# Altium PCB Brake Module PCB.PcbDoc (part 2 of 2)
Units mil, origin at the board's own origin, x right, y up, seen from the top; angles counter-clockwise.
Board outline 3490.03 x 3910.03 mil, 4 copper layers (Top Layer, Int1 (GND), Int2 (PWR), Bottom Layer), stack 53.912 mil thick; 134 components, 95 nets, 478 pads, 228 vias.
Unrouted connection lines stored in the file: 3.
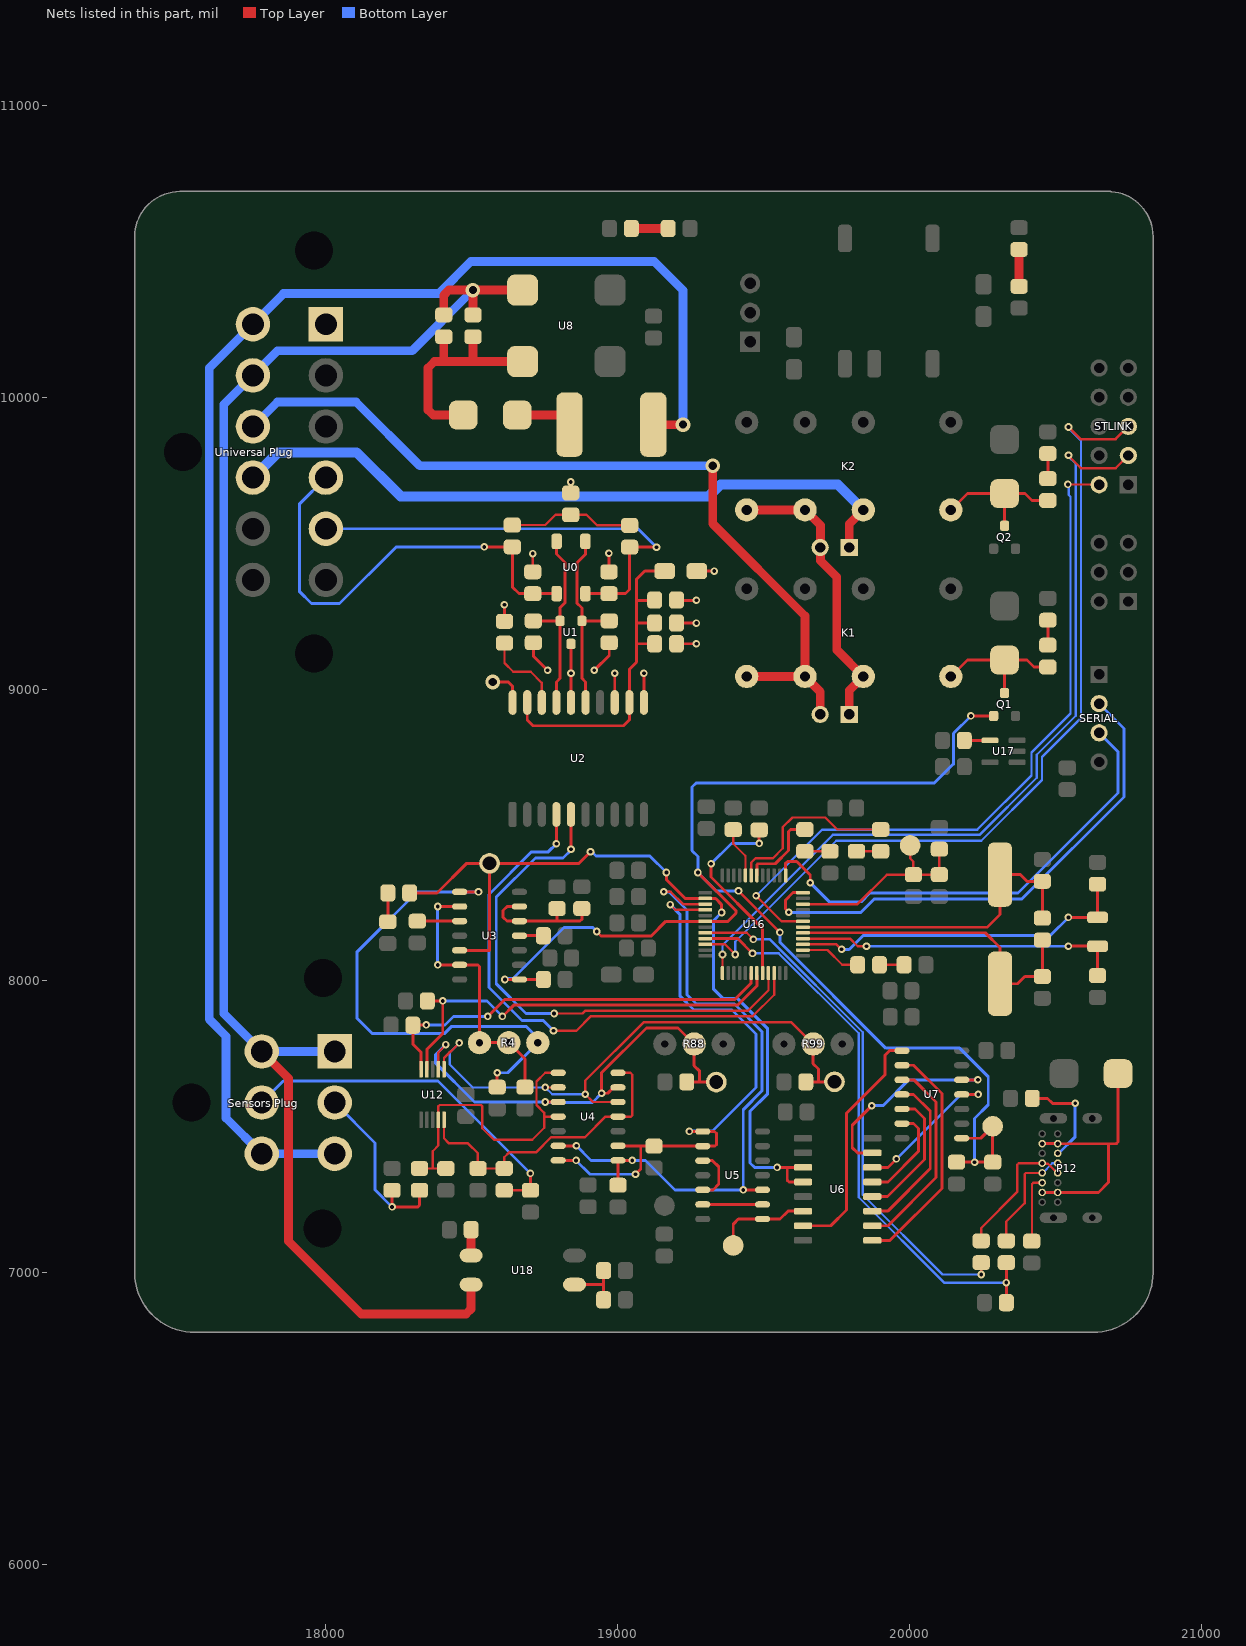
[diagram p4: the nets of this part, all layers, seen from the top]

## Via types
v1: diameter 26, hole 13, Top Layer to Bottom Layer, 216 vias
v2: diameter 50, hole 28, Top Layer to Bottom Layer, 7 vias
v3: diameter 216.54, hole 129.92, Top Layer to Bottom Layer, 4 vias
v4: diameter 26, hole 16, Top Layer to Bottom Layer, 1 vias

## Nets (pads, with @x,y where several pads share a name; then routed paths per layer and width w, separated by ;. In a path a pad name is that pad's centre, name@x,y a point inside that pad or via, vN(x,y) a via of type N, cw(c..) or ccw(c..) an arc to the next point about the centre after c; other vN are vias at no path point) (continued)
"BSPD OK": C21.2 P4.1 Q1.G R5.2 R29.2 U3.8 U7.8 U16.30 | length 4724.4
  Top Layer w10: v1@18609.46,8004.54 v1(18613.54,8004.54) U3.8@18663.28,8004.54 R5.2@18745.35,8004.54 ; v1(18928,8169) 18943,8154 19115.29,8154 19165,8203.71 U16.30@19300.11,8203.71 19377.71,8203.71 19405.66,8231.66 19405.66,8239.94 19275,8370.6 v1(19275,8371) ; v1(19414,8308) 19414,8307.92 v1(19555.96,8165.96) ; C21.2@20161.31,7378.46 v1(20223.29,7378.46) R29.2@20285.28,7378.46 P4.1@20285.28,7501.54 20244.28,7460.54 U7.8@20179,7460.54 ; v1(20210.63,8907.63) Q1.G@20288.6,8907.63
  Bottom Layer w10: v1(18613.54,8004.54) 18616.54,8007.54 18641.54,8007.54 18816.54,8182.54 18914.46,8182.54 v1(18928,8169) ; v1(19414,8308) 19337.6,8308 19275,8370.6 v1(19275,8371) 19275,8426 19255,8446 19255,8664 19269,8678 20085,8678 20149,8742 20151.14,8742 20151.14,8848.14 v1(20210.63,8907.63) ; v1(19555.96,8165.96) 19555.96,8132.04 19919,7769 20172,7769 20270,7671 20270,7575 20223.29,7528.29 v1(20223.29,7378.46)
"CAN RX INDC": "CAN RX.A" U16.19 | length 611.8
  Top Layer w8: U16.19@19457.59,8361.2 19457.59,8405.46 19472.13,8420 19531.97,8420 19566,8454.03 19566,8527 19598.86,8559.86 19711.45,8559.86 19752.63,8518.67 19901.4,8518.67
"CAN TX INDC": "CAN TX.A" U16.18 | length 289.1
  Top Layer w10: U16.18@19477.28,8361.2 19477.28,8398.28 19480,8401 19539.84,8401 19585,8446.16 19585,8511 19592.67,8518.67 19641.4,8518.67
CANH: "CAN TERM R1.2" "Universal Plug.4" C3.2 U0.1 | length 1553.3
  Top Layer w10: v1(18543,9487.07) 18638.97,9487.07 18638.97,9350.03 18662.13,9326.87 C3.2@18708.97,9326.87 U0.1@18790.79,9326.87
  Bottom Layer w10: 18000,9724.41 17909,9633.41 17909,9335 17951,9293 18047,9293 18241.07,9487.07 v1(18543,9487.07)
CANL: "CAN TERM R2.1" "Universal Plug.5" C2.2 U0.2 | length 1553.9
  Top Layer w10: U0.2@18889.21,9326.87 19026.87,9326.87 19041.03,9341.03 19041.03,9486.13 v1(19133,9486.13)
  Bottom Layer w10: 18000,9549.21 19069.92,9549.21 v1(19133,9486.13)
CANS: "Universal Plug.1" C1.1 C2.1 C3.1 C4.1 C5.1 C6.1 C7.1 C8.1 C9.1 R1.1 U1.3 U2.11 U2.13 U2.16 U2.20 | length 1246.4
  Top Layer w10: v2(18572,9024) 18625.37,9024 18640,9009.37 U2.20@18640,8954 ; R1.1@18611.97,9231.87 v1(18611.97,9289) ; C3.1@18708.97,9401.67 v1(18708.97,9464.03) ; C5.1@18711.03,9158.57 18711.03,9112.97 v1(18760,9064) ; C1.1@18838.97,9671.87 v1(18838.97,9709.5) ; U2.16@18840,8954 v1(18840,9054) U1.3@18840,9154.63 ; v1(18920,9064) 18971.03,9115.03 C4.1@18971.03,9158.57 ; C2.1@18970,9401.67 v1(18970,9465) ; U2.13@18990,8954 v1(18990,9054) ; U2.11@19090,8954.04 v1(19090,9054) ; C6.1@19201.56,9155.03 v1(19270,9155.03) ; C8.1@19201.56,9226.03 v1(19270,9226.03) ; C9.1@19201.56,9305.03 19202.59,9304 v1(19270,9304) ; C7.1@19271.36,9404 v1(19331,9404)
CLOCK: D1.A P2.1 U3.5 U6.11 U6.12 U16.26 | length 2932.5
  Top Layer w10: D1.A@18287.11,8301.03 18381.03,8301.03 18482.54,8402.54 P2.1@18560.91,8402.54 ; U3.5@18458.55,8104.54 18560.91,8104.54 P2.1@18560.91,8402.54 ; v1(18907,8442) 18867.54,8402.54 P2.1@18560.91,8402.54 ; v1(19167,8371.06) 19167,8346.4 19231.26,8282.14 19307.61,8282.14 19308.2,8281.55 19335.77,8281.55 19355.32,8262 19355.32,8234.68 v1(19356,8234) ; v1(19546.54,7360.54) 19581.28,7360.54 ; U6.12@19635.28,7310.54 19587.13,7310.54 19581.28,7316.39 19581.28,7360.54 ; U6.11@19635.28,7360.54 19581.28,7360.54
  Bottom Layer w10: v1(18907,8442) 18911.33,8442 18925.33,8428 19110.06,8428 v1(19167,8371.06) ; v1(19356,8234) 19329,8207 19329,7971 19360,7940 19410,7940 19514,7836 19514,7613 19454,7553 19454,7376 19469.46,7360.54 v1(19546.54,7360.54)
GLV+: "Sensors Plug.3" "Sensors Plug.4" "Universal Plug.12" F1.1 | length 5395
  Top Layer w30: F1.1@19122.4,9906 v2(19224,9906)
  Bottom Layer w30: 18030.16,7407.44 17780.16,7407.44 17658,7529.6 17658,7810 17600,7868 17600,10100 17750,10250 17855,10355 18387,10355 18497,10465 19125,10465 19224,10366 v2(19224,9906)
GLV-: "Sensors Plug.1" "Sensors Plug.6" "Universal Plug.11" C24.1 C25.1 U8.4 U18.2 | length 5475.6
  Top Layer w30: 17780.16,7757.83 17872,7665.99 17872,7107 18121,6858 18480.16,6858 18497.73,6875.57 U18.2@18497.73,6958.79 ; C24.1@18404,10282.04 18404,10349.59 18421.57,10367.17 v2(18504,10367.17) ; C25.1@18504,10282.04 v2(18504,10367.17) ; U8.4@18674,10367.17 v2(18504,10367.17)
  Bottom Layer w30: 18030.16,7757.83 17780.16,7757.83 17650,7887.99 17650,9974.8 17750,10074.8 17834.06,10158.86 18295.69,10158.86 v2(18504,10367.17)
"Green Loop IN": "BPSD Bypass1.2" "Universal Plug.10" K1.9 K1.11 | length 2905.8
  Top Layer w30: v2(19326,9765) 19326,9566 19642,9250 K1.11@19642,9043 ; K1.9@19442,9043 K1.11@19642,9043 ; 19694,8913.01 19694,8991 K1.11@19642,9043
  Bottom Layer w30: 17750,9899.61 17834.06,9983.66 18103.34,9983.66 18322,9765 v2(19326,9765)
"Green Loop OUT": "BPSD Delay Bypass1.1" "Universal Plug.9" K2.13 | length 2392.1
  Top Layer w30: 19794,9485 19794,9565.66 K2.13@19842,9613.66
  Bottom Layer w35: 17750,9724.41 17836.56,9810.96 18105.04,9810.96 18256,9660 19312,9660 19353,9701 19754.66,9701 K2.13@19842,9613.66
"H REF": C22.2 P7.1 R99.2 U4.5 U4.9 U12.6 | length 2049.9
  Top Layer w8: U12.6@18405.01,7696.61 18405.01,7734.99 v1(18457,7787) ; v1(18752,7634.54) U4.9@18796.28,7634.54 ; U4.5@19001,7584.54 18915.46,7584.54 v1(18889,7611) 18889,7658 19088.54,7857.54 19595.88,7857.54 R99.2@19669.88,7783.54
  Top Layer w10: C22.2@19644.68,7653.5 19687.93,7653.5 ; R99.2@19669.88,7783.54 19669.88,7715.93 19687.93,7697.88 19687.93,7653.5 ; 19707.28,7653.5 19687.93,7653.5 ; 19707.28,7654 P7.1@19743,7654
  Bottom Layer w8: v1(18457,7787) 18424.69,7754.69 18424.69,7713.31 18503.46,7634.54 v1(18752,7634.54) 18775.54,7611 v1(18889,7611)
"L REF": C23.2 P8.1 R88.2 U4.6 U4.10 U12.7 | length 1633.6
  Top Layer w8: U12.7@18385.32,7696.61 18385.32,7754.51 18411,7780.18 v1(18411,7781.3)
  Top Layer w10: v1(18752,7584.54) U4.10@18796.28,7584.54 ; U4.6@19001,7634.54 18986,7634.54 18966.06,7614.6 v1(18945.06,7614.6) 18945.06,7685.06 19098.54,7838.54 19206.88,7838.54 R88.2@19261.88,7783.54 19261.88,7709.12 19281,7690 19281,7653.5 ; C23.2@19236.68,7653.5 19281,7653.5 ; P8.1@19338,7653 19337.5,7653.5 19281,7653.5
  Bottom Layer w10: v1(18411,7781.3) 18375,7745.3 18375,7719 18509.46,7584.54 v1(18752,7584.54) 18753.54,7583 18913.46,7583 v1(18945.06,7614.6)
"NetBPSD Bypass1_1": "BPSD Bypass1.1" "BPSD Delay Bypass1.2" K1.13 K2.9 K2.11 | length 1003.4
  Top Layer w30: K2.9@19442,9613.66 K2.11@19642,9613.66 19695,9560.66 19695,9485 19695,9440 19751,9384 19751,9134 K1.13@19842,9043 19794,8995 19794,8913.01
NetC1_2: "CAN TERM R1.1" "CAN TERM R2.2" C1.2 | length 431.6
  Top Layer w8: 18638.97,9561.87 18751.87,9561.87 18787.07,9597.07 18892.93,9597.07 18929.07,9560.93 19041.03,9560.93
NetC4_2: C4.2 U0.3 U1.1 U2.15 | length 670.2
  Top Layer w10: U0.3@18889.21,9506 18889.21,9461.21 18860,9432 18860,9295 18877.4,9277.6 U1.1@18877.4,9233.37 ; U2.15@18890,8954 18890,9024 18877.4,9036.6 U1.1@18877.4,9233.37 ; C4.2@18971.03,9233.37 U1.1@18877.4,9233.37
NetC5_2: C5.2 U0.4 U1.2 U2.17 | length 667.7
  Top Layer w10: C5.2@18711.03,9233.37 U1.2@18802.6,9233.37 ; U2.17@18790,8954 18790,9024 18802.6,9036.6 U1.2@18802.6,9233.37 ; U0.4@18790.79,9506 18790.79,9462.21 18819.5,9433.5 18819.5,9295.5 18802.6,9278.6 U1.2@18802.6,9233.37
NetC6_2: C6.2 C7.2 C8.2 C9.2 U2.12 U2.19 | length 1212.8
  Top Layer w10: U2.19@18690,8954 18690,8894 18710,8874 19020,8874 19040,8894 U2.12@19040,8954 19040,9067 19065,9092 19065,9155.03 ; C6.2@19126.76,9155.03 19065,9155.03 ; C8.2@19126.76,9226.03 19065,9226.03 ; C9.2@19126.76,9305.03 19124.72,9303 19065,9303 ; C7.2@19161.13,9404 19093,9404 19065,9376 19065,9303 ; 19065,9155.03 19065,9226.03 ; 19065,9226.03 19065,9303
NetC15_2: C15.2 U3.3 | length 145.3
  Top Layer w10: C15.2@18313.28,8204.54 U3.3@18458.55,8204.54
NetC16_2: C16.2 U3.11 | length 82.1
  Top Layer w10: U3.11@18663.28,8154.54 C16.2@18745.35,8154.54
NetC17_2: C17.2 R3.1 U3.12 U3.13 | length 442.9
  Top Layer w10: U3.13@18663.28,8254.54 18621.28,8254.54 18607.28,8240.54 18607.28,8217.54 18620.28,8204.54 U3.12@18663.28,8204.54 18792.31,8204.54 ; R3.1@18792.31,8247.61 18792.31,8204.54 ; C17.2@18877.24,8247.61 18877.24,8210.39 18871.39,8204.54 18792.31,8204.54
NetC24_2: C24.2 C25.2 D3.K U8.1 | length 774.8
  Top Layer w30: C24.2@18404,10207.24 18404,10122.28 ; D3.K@18471,9939 18367.57,9939 18350,9956.57 18350,10100 18372.28,10122.28 18404,10122.28 ; C25.2@18504,10207.24 18504,10122.28 ; U8.1@18674,10122.28 18504,10122.28 ; 18404,10122.28 18504,10122.28
NetC45_2: C45.2 U17.4 | length 88.1
  Top Layer w10: C45.2@20187.93,8823.8 U17.4@20276,8823.8
NetC48_2: C48.2 R19.2 U4.8 U4.11 U12.4 | length 1090.3
  Top Layer w8: R19.2@18321.03,7356.93 18366.03,7356.93 ; C48.2@18411.03,7356.93 18366.03,7356.93 ; U4.11@18796.28,7534.54 18748.61,7534.54 ; U4.8@18796.28,7684.54 18751.54,7684.54 18721.56,7654.56 18721.56,7574.44 18748.61,7547.39 18748.61,7534.54 ; 18366.03,7356.93 18366.03,7416.03 18385.32,7435.32 U12.4@18385.32,7523.39 18385.32,7569.65 18390.01,7574.34 18531.31,7574.34 18536,7569.65 18536,7495 18576,7455 18707,7455 18748.61,7496.61 18748.61,7534.54
NetC49_2: C49.2 R22.2 U4.4 U4.7 U12.5 | length 1069.8
  Top Layer w8: U12.5@18404.94,7523.32 18404.94,7460.06 18422.31,7442.69 18487.31,7442.69 18521.03,7408.97 C49.2@18521.03,7356.93 R22.2@18611.03,7356.93 18611.03,7395.03 18628,7412 18720.47,7412 18772.01,7463.54 18887.69,7463.54 18958.69,7534.54 U4.4@19001,7534.54 19045.31,7534.54 19050,7539.22 19050,7678 19043.46,7684.54 U4.7@19001,7684.54
"NetCAN RX TP_1": U2.4 U16.46 | length 1886
  Top Layer w8: v1(18780,7829) 18859,7829 18909,7879 19463,7879 19536.39,7952.39 U16.46@19536.39,8026.49
  Top Layer w10: v1(18790,8470) U2.4@18790,8570
  Bottom Layer w10: v1(18780,7829) 18745,7864 18672,7864 18559,7977 18559,8296 18705,8442 18762,8442 v1(18790,8470)
"NetCAN RX_K": "CAN RX.K" R32.2 | length 82.9
  Top Layer w10: R32.2@19818.46,8443.87 19901.4,8443.87
"NetCAN TX TP_1": U2.5 U16.45 | length 1809.4
  Top Layer w8: v1(18782,7888) 18879,7888 18888,7897 19446,7897 19516.65,7967.65 U16.45@19516.65,8026.23
  Top Layer w10: v1(18840,8451) U2.5@18840,8570
  Bottom Layer w10: v1(18782,7888) 18686,7888 18584,7990 18584,8287 18718,8421 18813,8421 v1@18843,8451
"NetCAN TX_K": "CAN TX.K" R31.2 | length 86
  Top Layer w10: 19641.4,8443.87 R31.2@19727.43,8443.87
NetD1_K: D1.K R7.2 | length 98.6
  Top Layer w10: R7.2@18212.31,8202.41 D1.K@18212.31,8301.03
NetD2_K: D2.K R30.2 | length 84.1
  Top Layer w10: R30.2@19897.36,8054.9 D2.K@19981.51,8054.9
NetD3_A: D3.A F1.2 | length 192.6
  Top Layer w30: D3.A@18656.04,9939 18802,9939 F1.2@18835,9906
NetD4_K: D4.K R25.2 | length 126.1
  Top Layer w30: R25.2@19046.93,10578.03 D4.K@19173.07,10578.03
NetD5_K: D5.K R26.2 | length 126.1
  Top Layer w30: R26.2@20375.8,10379.93 D5.K@20375.8,10506.07
NetD6_A: D6.A K1.16 Q1.D R37.1 | length 478.7
  Top Layer w10: K1.16@20142,9043 20198.5,9099.5 D6.A@20326,9099.5 ; Q1.D@20326,8986.37 D6.A@20326,9099.5 ; R37.1@20474.2,9075.4 20426.4,9075.4 20402.31,9099.5 D6.A@20326,9099.5
NetD7_K: D7.K R37.2 | length 85.6
  Top Layer w10: R37.2@20474.2,9150.2 D7.K@20474.2,9235.8
NetD8_A: D8.A K2.16 Q2.D R39.1 | length 476.4
  Top Layer w10: K2.16@20142,9613.66 20198.5,9670.16 D8.A@20326,9670.16 ; Q2.D@20326,9559.37 D8.A@20326,9670.16 ; R39.1@20474.2,9646.06 20419.94,9646.06 20395.84,9670.16 D8.A@20326,9670.16
NetD9_K: D9.K R39.2 | length 85.6
  Top Layer w10: R39.2@20474.2,9720.86 D9.K@20474.2,9806.46
NetD10_A: D10.A P12.A4 P12.A9 P12.B4 P12.B9 | length 871.1
  Top Layer w10: P12.A4@20454.86,7274.61 P12.B9@20508,7274.61 20647.66,7274.61 20682.5,7309.45 20682.5,7441.46 ; P12.A9@20454.86,7441.93 P12.B4@20508,7441.93 20508.47,7441.46 20682.5,7441.46 ; D10.A@20714.84,7682 20714.84,7447.84 20708.46,7441.46 20682.5,7441.46
NetP5_1: P5.1 U5.8 U6.14 | length 330.7
  Top Layer w10: P5.1@19396,7093 19396,7166 19413.54,7183.54 U5.8@19496.28,7183.54 19556.54,7183.54 19583.54,7210.54 U6.14@19635.28,7210.54
NetP9_1: R9.1 U4.2 U4.14 U5.1 U5.2 U16.28 | length 2105.2
  Top Layer w8: v1(19180,8261) 19197.29,8243.71 U16.28@19300.11,8243.71
  Top Layer w10: U4.14@18796.28,7384.54 v1(18857.54,7384.54) ; U4.2@19001,7434.54 19002,7433.54 19079,7433.54 ; v1(19061,7337) 19079,7355 19079,7433.54 ; v1@19246,7483.54 U5.1@19291.55,7483.54 19332.28,7483.54 19339.28,7476.54 19339.28,7439.39 19333.42,7433.54 U5.2@19291.55,7433.54 R9.1@19124.24,7433.54 19079,7433.54
  Bottom Layer w10: v1(18857.54,7384.54) 18905.07,7337 v1(19061,7337) ; v1(19180,8261) 19213,8228 19213,7948.72 19261.72,7900 19391.72,7900 19474,7817.72 19474,7634 19325,7485 19247,7485 v1(19246,7484)
NetP11_1: R10.1 U4.1 U4.13 U5.10 U16.27 | length 2330
  Top Layer w8: v1(19158,8305) 19181.53,8305 19223.76,8262.77 U16.27@19300.11,8262.77
  Top Layer w10: U4.13@18796.28,7434.54 v1(18858.46,7434.54) ; R10.1@19001,7299.5 U4.1@19001,7384.54 v1(19050.28,7384.54) ; v1(19430.28,7283.54) U5.10@19496.28,7283.54
  Bottom Layer w10: v1(18858.46,7434.54) 18908.46,7384.54 v1(19050.28,7384.54) 19095.68,7384.54 19196.68,7283.54 v1(19430.28,7283.54) 19430.28,7558.28 19494,7622 19494,7826 19400,7920 19270,7920 19238,7952 19238,8242.6 19175.6,8305 v1(19158,8305)
NetP12_A5: P12.A5 R50.1 | length 232.5
  Top Layer w8: R50.1@20419.97,7107.74 20419.97,7303.38 20424.65,7308.07 P12.A5@20454.86,7308.07
NetP12_A6: P12.A6 P12.B6 R48.1 | length 382.9
  Top Layer w8: R48.1@20331.97,7108.87 20331.97,7174.97 20395,7238 20395,7336.85 20399.69,7341.54 P12.A6@20454.86,7341.54
  Bottom Layer w8: P12.A6@20454.86,7341.54 20456.47,7341.54 20489.39,7374.47 20507.47,7374.47 P12.B6@20508,7375
NetP12_A7: P12.A7 P12.B7 R49.1 | length 466.6
  Top Layer w8: R49.1@20245.97,7108.87 20246,7153 20369,7276 20369,7369.18 20374.86,7375.04 20454.82,7375.04 20456.83,7373.03 20474.9,7373.03 20506.39,7341.54 P12.B7@20508,7341.54
NetP12_B5: P12.B5 R51.1 | length 352.3
  Top Layer w10: R51.1@20420.87,7597.03 20472.68,7597.03 20489.72,7580 v1(20568,7580)
  Bottom Layer w10: P12.B5@20508,7408.47 20511.02,7408.47 20568,7465.45 v1(20568,7580)
NetR1_2: R1.2 U2.18 | length 291.2
  Top Layer w8: R1.2@18611.97,9157.07 18611.97,9089.03 18642,9059 18701.93,9059 18740,9020.93 U2.18@18740,8954
NetR2_1: R2.1 R4.3 U3.1 | length 1708.7
  Top Layer w10: U3.1@18458.55,8304.54 v1(18523,8304.54) ; R2.1@18586.97,7635.64 v1(18587,7685)
  Bottom Layer w10: v1(18523,8304.54) 18312.54,8304.54 18106,8098 18106,7872.43 18158.4,7820.03 18407.43,7820.03 18431.4,7844 18686,7844 18726.61,7803.39 R4.3@18726.61,7788 18623.61,7685 v1(18587,7685)
NetR43_1: R43.1 U12.10 U16.42 | length 1416.7
  Top Layer w10: U12.10@18326.27,7696.61 18326.27,7755.36 18297.87,7783.75 R43.1@18297.87,7848.03 v1@18344,7848.03 ; v1(18554.61,7878) 18555,7878 18613.54,7936.54 19402.45,7936.54 19457.28,7991.37 U16.42@19457.28,8026.55
  Bottom Layer w10: v1(18344,7849) 18408.12,7849 18437.12,7878 v1(18554.61,7878)
NetR44_1: R44.1 U12.9 U16.43 | length 1486.7
  Top Layer w10: U12.9@18346.27,7696.61 18346.27,7765.63 18400.52,7819.88 v1(18400.52,7931.03) R44.1@18347.87,7931.03 ; v1(18605,7878) 18643.54,7916.54 19410.73,7916.54 19477.28,7983.08 U16.43@19477.28,8017.95
  Bottom Layer w10: v1(18400.52,7931.03) 18551.97,7931.03 v1(18605,7878)
NetR45_2: R45.2 U16.44 | length 687.9
  Top Layer w10: v1(19320,8401) 19320,8355.6 19496.96,8178.64 U16.44@19496.96,8026.55 ; v1(19485,8471) R45.2@19485,8517.17
  Bottom Layer w10: v1(19320,8401) 19390,8471 v1(19485,8471)
NetR46_1: R46.1 U16.20 | length 179.1
  Top Layer w8: R46.1@19396.03,8523.13 19396.03,8469.97 19437.5,8428.5 ; U16.20@19437.91,8361.2 19437.91,8428.5
NetR52_2: R52.2 R53.2 U18.3 | length 199.7
  Top Layer w10: U18.3@18852.06,6958.79 18951.81,6958.79 ; R53.2@18951.81,6906.82 18951.81,6958.79 ; R52.2@18951.81,7006.82 18951.81,6958.79
NetR54_1: R54.1 U18.1 | length 88.2
  Top Layer w30: U18.1@18497.73,7058.79 R54.1@18497.73,7147
NetR55_2: 
NetR57_1: 
NetR58_2: 
NetR60_1: 
NetU5_3: U5.3 U5.5 | length 185.4
  Top Layer w10: U5.5@19291.55,7283.54 19326.28,7283.54 19346.28,7303.54 19346.28,7362.54 19325.28,7383.54 U5.3@19291.55,7383.54
NetU5_6: U5.6 U5.9 | length 204.7
  Top Layer w10: U5.6@19291.55,7233.54 U5.9@19496.28,7233.54
NetU6_1: U6.1 U7.2 | length 814.5
  Top Layer w10: U6.1@19872.68,7110.54 19933.28,7110.54 20111.28,7288.54 20111.28,7613.54 20014.28,7710.54 U7.2@19974.28,7710.54
NetU6_2: U6.2 U7.3 | length 694.3
  Top Layer w10: U6.2@19872.68,7160.54 19926.28,7160.54 20091.28,7325.54 20091.28,7584.25 20014.99,7660.54 U7.3@19974.28,7660.54
NetU6_3: U6.3 U7.4 | length 576.7
  Top Layer w10: U6.3@19872.68,7210.54 19925.28,7210.54 20071.28,7356.54 20071.28,7553.54 20014.28,7610.54 U7.4@19974.28,7610.54
NetU6_4: U6.4 U7.5 | length 462.5
  Top Layer w10: U6.4@19872.68,7260.54 19924.28,7260.54 20051.28,7387.54 20051.28,7528.54 20019.28,7560.54 U7.5@19974.28,7560.54
NetU6_5: U6.5 U7.6 | length 344.1
  Top Layer w10: U6.5@19872.68,7310.54 19926.28,7310.54 20031.28,7415.54 20031.28,7493.54 20014.28,7510.54 U7.6@19974.28,7510.54
NetU6_6: U6.6 U7.11 | length 523.5
  Top Layer w10: U6.6@19872.68,7360.54 19926.28,7360.54 v1(19955.28,7389.54) ; U7.11@20179,7610.54 v1(20235.83,7610.54)
  Bottom Layer w10: v1(19955.28,7389.54) 20176.28,7610.54 v1(20235.83,7610.54)
NetU6_7: U6.7 U7.12 | length 703.6
  Top Layer w10: v1(19871,7572) 19804,7505 19804,7428 19821.46,7410.54 U6.7@19872.68,7410.54 ; U7.12@20179,7660.54 v1(20234.65,7660.54)
  Bottom Layer w10: v1(19871,7572) 19909,7572 19997.54,7660.54 v1(20234.65,7660.54)
NetU6_15: U6.15 U7.1 | length 821.1
  Top Layer w10: U6.15@19635.28,7160.54 19730.28,7160.54 19784.28,7214.54 19784.28,7546.28 19916,7678 19916,7745 19931.54,7760.54 U7.1@19974.28,7760.54
NRST: STLINK.2 U16.7 | length 2475.2
  Top Layer w8: v1(19474.37,8291.73) 19562.39,8203.71 U16.7@19634.76,8203.71 ; v1(20543,9701) 20649,9701 STLINK.2@20650,9700
  Bottom Layer w8: v1(19474.37,8291.73) 19474.58,8291.73 19700.84,8518 20232.54,8518 20418,8703.46 20418,8782 20552,8916 20552,9659 20546,9665 20546,9698 v1(20543,9701)
PC13: R30.1 U16.2 | length 208.8
  Top Layer w8: U16.2@19634.76,8105.6 19718.83,8105.6 19769.53,8054.9 R30.1@19822.56,8054.9
"PCB TEMP": "PCB TEMP.1" C35.2 R27.1 R28.2 U16.10 | length 701.6
  Top Layer w8: U16.10@19634.76,8262.77 19821.77,8262.77 19922.67,8363.67 C35.2@20013.46,8363.67 ; 20002.43,8463.87 20002.43,8418.87 20013.46,8407.84 C35.2@20013.46,8363.67 ; R27.1@20102.43,8451 R28.2@20102.43,8363.67 C35.2@20013.46,8363.67
"Sensor 1 In": "Sensors Plug.2" R19.1 R20.2 | length 642.4
  Top Layer w10: v1(18226.97,7225.2) 18315.17,7225.2 18321.03,7231.06 R19.1@18321.03,7282.13 ; v1@18226.97,7226.23 R20.2@18226.97,7282.13
  Bottom Layer w10: 18030.16,7582.64 18168.32,7444.47 18168.32,7283.85 v1(18226.97,7225.2)
"Sensor 2 In": "Sensors Plug.5" R22.1 R24.2 | length 1230.6
  Top Layer w10: R22.1@18611.03,7282.13 R24.2@18701.03,7282.13 v1(18701.03,7340)
  Bottom Layer w10: 17780.16,7582.64 17854.21,7656.69 18384.34,7656.69 v1(18701.03,7340)
SWCLK: STLINK.3 U16.37 | length 2824.8
  Top Layer w8: U16.37@19359.17,8026.55 19359,8026.72 19359,8089.83 v1(19359.17,8090) ; v1@20543,9801 20587.53,9756.47 20706.47,9756.47 STLINK.3@20750,9800
  Bottom Layer w8: v1(19359.17,8090) 19358.98,8090.18 19358.98,8121.98 19737,8500 20240,8500 20436,8696 20436,8774.54 20570,8908.54 20570,9772 20545,9797 v1(20545,9801)
SWDIO: STLINK.5 U16.34 | length 2965.4
  Top Layer w8: U16.34@19300.11,8124.97 19368.04,8124.97 v1(19403.01,8090) ; v1(20545,9898) 20586.53,9856.47 20706.47,9856.47 STLINK.5@20750,9900
  Bottom Layer w8: v1(19403.01,8090) 19403.01,8134.01 19749,8480 20246,8480 20454,8688 20454,8767.09 20588,8901.09 20588,9851.47 20545,9894.47 v1(20545,9898)
Trig/Thres: C14.2 R4.1 R4.2 U3.2 U3.6 | length 958.2
  Top Layer w10: v1(18383.21,8054.54) 18520.75,8054.54 18526.61,8048.68 R4.1@18526.61,7788 R4.2@18626.61,7788 18682.03,7732.57 C14.2@18682.03,7635.64 ; v1(18383.21,8254.54) U3.2@18458.55,8254.54
  Bottom Layer w10: v1@18383.21,8053.54 v1(18383.21,8054.54) v1(18383.21,8254.54)
UARTRX: SERIAL.3 U16.13 | length 1642.9
  Top Layer w10: U16.13@19575.7,8361.2 19575.7,8402.72 19581.56,8408.58 19613.52,8408.58 19660,8362.09 v1(19660,8336)
  Bottom Layer w10: v1(19660,8336) 19725,8271 19835,8271 19865,8301 20372,8301 20715,8644 20715,8785 SERIAL.3@20650,8850
UARTTX: SERIAL.2 U16.12 | length 1784.2
  Top Layer w10: v1(19586.25,8234.75) 19575,8246 19575,8276 19601.14,8302.14 U16.12@19634.76,8302.14
  Bottom Layer w10: v1(19586.25,8234.75) 19833.75,8234.75 19880,8281 20386,8281 20735,8630 20735,8865 SERIAL.2@20650,8950
USBDM: R49.2 U16.32 | length 1789.6
  Top Layer w8: U16.32@19300.11,8164.34 19442.66,8164.34 v1(19465,8142) ; v1(20245.97,6993.55) R49.2@20245.97,7034.07
  Bottom Layer w8: v1@19473,8142 19522,8142 19840,7824 19840,7267 20113.45,6993.55 v1(20245.97,6993.55)
USBDP: R47.1 R48.2 U16.33 | length 1986.5
  Top Layer w10: U16.33@19300.11,8144.66 19411.34,8144.66 v1(19462,8094) ; R47.1@20331.97,6897.03 v1(20331.97,6965.55) R48.2@20331.97,7034.07
  Bottom Layer w8: v1(19462,8094) 19552,8094 19826,7820 19826,7258 20118.45,6965.55 v1(20331.97,6965.55)
XTALA: C40.2 R35.1 U16.5 X1.1 | length 1101.1
  Top Layer w8: U16.5@19634.76,8164.34 20259.96,8164.34
  Top Layer w10: 20259.96,8164.34 20310.43,8113.87 X1.1@20310.43,7989.91 20370.47,7989.91 20395.36,8014.8 C40.2@20455.46,8014.8 R35.1@20455.46,8140
XTALB: C41.2 R35.2 U16.6 X1.2 | length 1110.9
  Top Layer w8: U16.6@19634.76,8184.03 20267,8184
  Top Layer w10: 20267,8184 20310.43,8227.43 X1.2@20310.43,8363.93 20379.95,8363.93 20402.93,8340.94 C41.2@20455.46,8340.94 R35.2@20455.46,8214.8
XTALC: C42.2 U16.3 X2.1 | length 1177.5
  Top Layer w8: U16.3@19634.76,8125.6 19749.57,8125.6
  Top Layer w10: 19749.57,8124.6 19766.3,8107.87 v1(19767.3,8107.87) ; v1@20543.65,8217.08 v1(20544.65,8217.08) X2.1@20644.43,8217.08 C42.2@20644.43,8330.94
  Bottom Layer w10: v1(19767.3,8107.87) 19768.3,8106.87 19793.43,8106.87 19842.43,8155.87 20483.43,8155.87 v1(20544.65,8217.08)
XTALD: C43.2 U16.4 X2.2 | length 1121.2
  Top Layer w8: U16.4@19634.76,8144.66 19796.57,8144.66 19822.57,8118.66 v1(19852.73,8118.66)
  Top Layer w10: v1(20544.65,8118.66) X2.2@20644.43,8118.66 C43.2@20644.43,8017.87
  Bottom Layer w8: v1(19852.73,8118.66) v1(20544.65,8118.66)
pads on no net: "Sensors Plug.0" "Universal Plug.0" "Universal Plug.2" "Universal Plug.3" "Universal Plug.6" "Universal Plug.7" K1.4 K1.6 K1.8 K2.4 K2.6 K2.8 P12.A8 P12.B8 P12.P2 P12.P3 P12.P4 STLINK.4 STLINK.6 STLINK.9 STLINK.10 U2.2 U2.14 U5.11 U5.12 U5.13 U6.9 U7.9 U7.10 U7.13 U10.8 U12.2 U16.11 U16.14 U16.15 U16.16 U16.17 U16.21 U16.22 U16.31 U16.38 U16.39 U16.40 U16.41
copper on no net: | length 7052.5
  Top Layer w10: 17140.13,5960.04 17160,5900 ; 17149.87,10565.08 17170,10625.03 ; 17150,5900.02 17170,5899.98 ; 17160,10625.06 17180,10625.01 ; 17164.16,7866.64 17160,5900 ; 17165.84,8658.39 17170,10625.03 ; 17180.13,5959.96 17160,5900 ; 17189.87,10564.99 17170,10625.03 ; 17369.95,11150 17370.05,11170 ; 17429.91,11139.73 17370,11160 ; 17430.09,11179.73 17370,11160 ; 18636.63,11154.29 17370,11160 ; 19428.37,11150.71 20695,11145 ; 20634.91,11125.27 20695,11145 ; 20635.09,11165.27 20695,11145 ; 20694.95,11135 20695.05,11155
  other v3: 18300,7000 20640,7000 20640,10520 18300,10540

## Polygon pours and split planes (outlines as drawn)
0V on Top Layer "NONET_L01_P011" (solid, shelved, pour order 11): 18122.47,10695 19920.92,10695 19920.92,8803.08 18132,8803.08 18122.47,8803.08
"0V (ISO)" on Top Layer "NONET_L01_P007" (solid, shelved, pour order 7): 20770,6862 20805.2,6914.07 20817,6941 20824.32,6974.89 20825.68,10528.4 20824,10562 20818,10594 20808,10616 20793,10641 20772,10662 20740,10682 20696.51,10695.91 20019.32,10695.91 20019.32,8714.91 20032.23,8702 18148.25,8702 18148.25,6805 20637,6805 20682,6812 20728,6831 20743,6841
no net on Top Layer "NONET_L01_P010" (solid, shelved, pour order 10): 19707,6958
no net on Top Layer "NONET_L01_P002" (solid, shelved, pour order 2): 23743.72,9734.06
no net on Top Layer "NONET_L01_P000" (solid, shelved, pour order 0): 11385,5
0V on Bottom Layer "NONET_L04_P014" (solid, shelved, pour order 14): 19920.92,8803.08 19920.92,10695 18122.47,10695 18122.48,10694.99 18122.48,8809.36 18127.52,8804.33 19919.67,8804.33
"0V (ISO)" on Bottom Layer "NONET_L04_P009" (solid, shelved, pour order 9): 20776,6858 20811.2,6910.07 20823,6937 20830.32,6970.89 20831.68,10524.4 20830,10558 20824,10590 20814,10612 20799,10637 20778,10658 20746,10678 20690,10695.91 20029,10695.91 20029,8707.23 20034.23,8702 18148.24,8702 18148.25,6801 20643,6801 20688,6808 20734,6827 20749,6837
no net on Bottom Layer "NONET_L04_P013" (solid, shelved, pour order 13): 19836,8865
no net on Bottom Layer "NONET_L04_P006" (solid, shelved, pour order 6): 18150,6800
"0V (ISO)" on Int1 (GND) (split plane): 20690,10683.67 20690,10684.65 20690.57,10684.6 20690.56,10684.56 20699.21,10683.63 20708.7,10681.92 20718.03,10679.53 20727.18,10676.49 20736.08,10672.8 20744.7,10668.49 20752.99,10663.57 20760.9,10658.07 20768.41,10652.03 20775.46,10645.46 20782.03,10638.41 20788.07,10630.9 20793.57,10622.99 20798.49,10614.7 20802.8,10606.08 20806.49,10597.18 20809.53,10588.03 20811.92,10578.7 20813.63,10569.21 20814.66,10559.63 20814.98,10550.62 20814.93,10550.13 20813.73,10550.15 20813.67,10550 20814.92,10550 20814.92,10549.98 20814.92,10549.96 20814.92,7000 20814.99,6999.27 20814.62,6987.9 20813.43,6975.85 20811.46,6963.91 20808.71,6952.11 20805.2,6940.53 20800.93,6929.2 20795.93,6918.17 20790.23,6907.49 20783.83,6897.21 20776.78,6887.37 20769.1,6878.01 20760.82,6869.18 20751.99,6860.9 20742.63,6853.22 20732.79,6846.17 20722.51,6839.77 20711.83,6834.07 20700.8,6829.07 20689.47,6824.8 20677.89,6821.29 20666.09,6818.54 20654.15,6816.57 20642.1,6815.38 20630.73,6815.01 20630,6815.08 17550.17,6815.08 17550.18,6816.25 17550,6816.33 17550,6815.08 17549.97,6815.08 17549.94,6815.08 17549.23,6815.01 17537.9,6815.38 17525.85,6816.57 17513.91,6818.54 17502.11,6821.29 17490.53,6824.8 17479.2,6829.07 17468.17,6834.07 17457.49,6839.77 17447.21,6846.17 17437.37,6853.22 17428.01,6860.9 17419.18,6869.18 17410.9,6878.01 17403.22,6887.37 17396.17,6897.21 17389.77,6907.49 17384.07,6918.17 17379.07,6929.2 17374.8,6940.53 17371.29,6952.11 17368.54,6963.91 17366.57,6975.85 17365.38,6987.9 17365.01,6999.27 17365.08,7000 17365.08,8702.92 19971,8702.92 19976.61,8703.24 19982.14,8704.18 19987.54,8705.73 19992.73,8707.88 19997.64,8710.6 20002.22,8713.85 20006.41,8717.59 20010.15,8721.78 20013.4,8726.36 20016.12,8731.27 20018.27,8736.46 20019.82,8741.86 20020.76,8747.39 20021.08,8753 20021.08,10684.92 20686.99,10684.92
CANS on Int1 (GND) (split plane): 17500,10684.92 19920.92,10684.92 19920.92,8803.08 17365.08,8803.08 17365.08,10549.86 17366.27,10549.85 17366.33,10550 17365.08,10550 17365.08,10550.02 17365.08,10550.05 17365.02,10550.65 17365.34,10559.63 17366.37,10569.21 17368.08,10578.7 17370.47,10588.03 17373.51,10597.18 17377.2,10606.08 17381.51,10614.7 17386.43,10622.99 17391.93,10630.9 17397.97,10638.41 17404.54,10645.46 17411.59,10652.03 17419.1,10658.07 17427.01,10663.57 17435.3,10668.49 17443.92,10672.8 17452.82,10676.49 17461.97,10679.53 17471.3,10681.92 17480.79,10683.63 17490.37,10684.66 17499.38,10684.98
"0V (ISO)" on Int1 (GND) (split plane): 20814.94,10550.13 20814.92,10550 20814.93,10550.13
"5V (ISO)" on Int2 (PWR) (split plane): 20690,10683.67 20690,10684.65 20690.57,10684.6 20690.56,10684.56 20699.21,10683.63 20708.7,10681.92 20718.03,10679.53 20727.18,10676.49 20736.08,10672.8 20744.7,10668.49 20752.99,10663.57 20760.9,10658.07 20768.41,10652.03 20775.46,10645.46 20782.03,10638.41 20788.07,10630.9 20793.57,10622.99 20798.49,10614.7 20802.8,10606.08 20806.49,10597.18 20809.53,10588.03 20811.92,10578.7 20813.63,10569.21 20814.66,10559.63 20814.98,10550.62 20814.93,10550.13 20813.73,10550.15 20813.67,10550 20814.92,10550 20814.92,10549.98 20814.92,10549.96 20814.92,7000 20814.99,6999.27 20814.62,6987.9 20813.43,6975.85 20811.46,6963.91 20808.71,6952.11 20805.2,6940.53 20800.93,6929.2 20795.93,6918.17 20790.23,6907.49 20783.83,6897.21 20776.78,6887.37 20769.1,6878.01 20760.82,6869.18 20751.99,6860.9 20742.63,6853.22 20732.79,6846.17 20722.51,6839.77 20711.83,6834.07 20700.8,6829.07 20689.47,6824.8 20677.89,6821.29 20666.09,6818.54 20654.15,6816.57 20642.1,6815.38 20630.73,6815.01 20630,6815.08 17550.17,6815.08 17550.18,6816.25 17550,6816.33 17550,6815.08 17549.97,6815.08 17549.94,6815.08 17549.23,6815.01 17537.9,6815.38 17525.85,6816.57 17513.91,6818.54 17502.11,6821.29 17490.53,6824.8 17479.2,6829.07 17468.17,6834.07 17457.49,6839.77 17447.21,6846.17 17437.37,6853.22 17428.01,6860.9 17419.18,6869.18 17410.9,6878.01 17403.22,6887.37 17396.17,6897.21 17389.77,6907.49 17384.07,6918.17 17379.07,6929.2 17374.8,6940.53 17371.29,6952.11 17368.54,6963.91 17366.57,6975.85 17365.38,6987.9 17365.01,6999.27 17365.08,7000 17365.08,8702.92 19180.91,8702.92 19180.91,7925 19181.26,7922.39 19182.26,7919.96 19183.87,7917.87 19185.96,7916.27 19188.39,7915.26 19191,7914.91 20195.44,7914.91 20198.05,7915.26 20200.49,7916.27 20202.58,7917.87 20204.18,7919.96 20205.19,7922.39 20205.53,7925 20205.53,8538.56 20205.53,8753 20205.19,8755.61 20204.18,8758.04 20202.58,8760.13 20200.49,8761.73 20198.05,8762.74 20195.44,8763.09 20021.08,8763.09 20021.08,10684.92 20686.99,10684.92
"5V (ISO)" on Int2 (PWR) (split plane): 17500,10684.92 19920.92,10684.92 19920.92,8803.08 17365.08,8803.08 17365.08,10549.86 17366.27,10549.85 17366.33,10550 17365.08,10550 17365.08,10550.02 17365.08,10550.05 17365.02,10550.65 17365.34,10559.63 17366.37,10569.21 17368.08,10578.7 17370.47,10588.03 17373.51,10597.18 17377.2,10606.08 17381.51,10614.7 17386.43,10622.99 17391.93,10630.9 17397.97,10638.41 17404.54,10645.46 17411.59,10652.03 17419.1,10658.07 17427.01,10663.57 17435.3,10668.49 17443.92,10672.8 17452.82,10676.49 17461.97,10679.53 17471.3,10681.92 17480.79,10683.63 17490.37,10684.66 17499.38,10684.98
"3.3V (ISO)" on Int2 (PWR) (split plane): 20185.36,8538.56 20185.36,8537.44 20185.36,7935.09 19201.09,7935.09 19201.09,8702.92 19971,8702.92 19976.61,8703.24 19982.14,8704.18 19987.54,8705.73 19992.73,8707.88 19997.64,8710.6 20002.22,8713.85 20006.41,8717.59 20010.15,8721.78 20013.4,8726.36 20016.12,8731.27 20018.27,8736.46 20019.82,8741.86 20020,8742.91 20185.36,8742.91
"5V (ISO)" on Int2 (PWR) (split plane): 20814.94,10550.13 20814.92,10550 20814.93,10550.13

## Keep-outs
Top Layer:
  lines w20: 19971,8753 20195.44,8753
  lines w100: 19971,8753 19971,10750

## Other copper
Top Layer:
  region net "H REF": 18418.5,7749.5
  region: 19634.76,8124.97
  text "3325.034 (mil)" at 18646.46,11118.25 h60 r359.74
  text "4725.045 (mil)" at 17200.17,7876.56 h60 r89.88
Bottom Layer:
  region net NRST: 19897,8350
Int1 (GND) (plane layer: these items are gaps in the copper):
  lines w100: 17300,8753 19971,8753 19971,10750
Int2 (PWR) (plane layer: these items are gaps in the copper):
  lines w20: 19191,8746 19191,7925 20195.44,7925 20195.44,8538.56 ; 19971,8753 20195.44,8753 20195.44,8537.44
  lines w100: 17300,8753 19971,8753 19971,10750

## Silkscreen, mask and mechanical layers (free items; w line width, h text height)
Top Overlay:
  lines w10: 17349.94,6710 17350.06,6690 ; 17409.88,6720.35 17350,6700 ; 17410.11,6680.35 17350,6700 ; 18689.13,6707.72 17350,6700 ; 19480.87,6712.28 20820,6720 ; 20759.89,6739.65 20820,6720 ; 20760.12,6699.65 20820,6720 ; 20819.94,6730 20820.06,6710 ; 20986.09,6849.46 21006.01,6789.43 ; 20990.94,10614.46 21011.01,10674.43 ; 20996.01,6789.44 21016.01,6789.42 ; 21001.01,10674.44 21021.01,10674.42 ; 21008,8336.05 21006.01,6789.43 ; 21009.02,9127.81 21011.01,10674.43 ; 21026.09,6849.4 21006.01,6789.43 ; 21030.94,10614.41 21011.01,10674.43 ; 17350,7000 ccw(c17550,7000) 17550,6800 20630,6800 ccw(c20630,7000) 20830,7000 20830,10550 ccw(c20680,10550) 20680,10700 17500,10700 ccw(c17500,10550) 17350,10550 17350,7000
  lines w100: 17300,8753 19971,8753 19971,10750
  text "3885.003 (mil)" at 21044.01,8346.01 h60 r89.93
  text "3470.058 (mil)" at 18699.34,6671.79 h60 r0.33